# KiCad board Lime_RFE.kicad_pcb (continued)
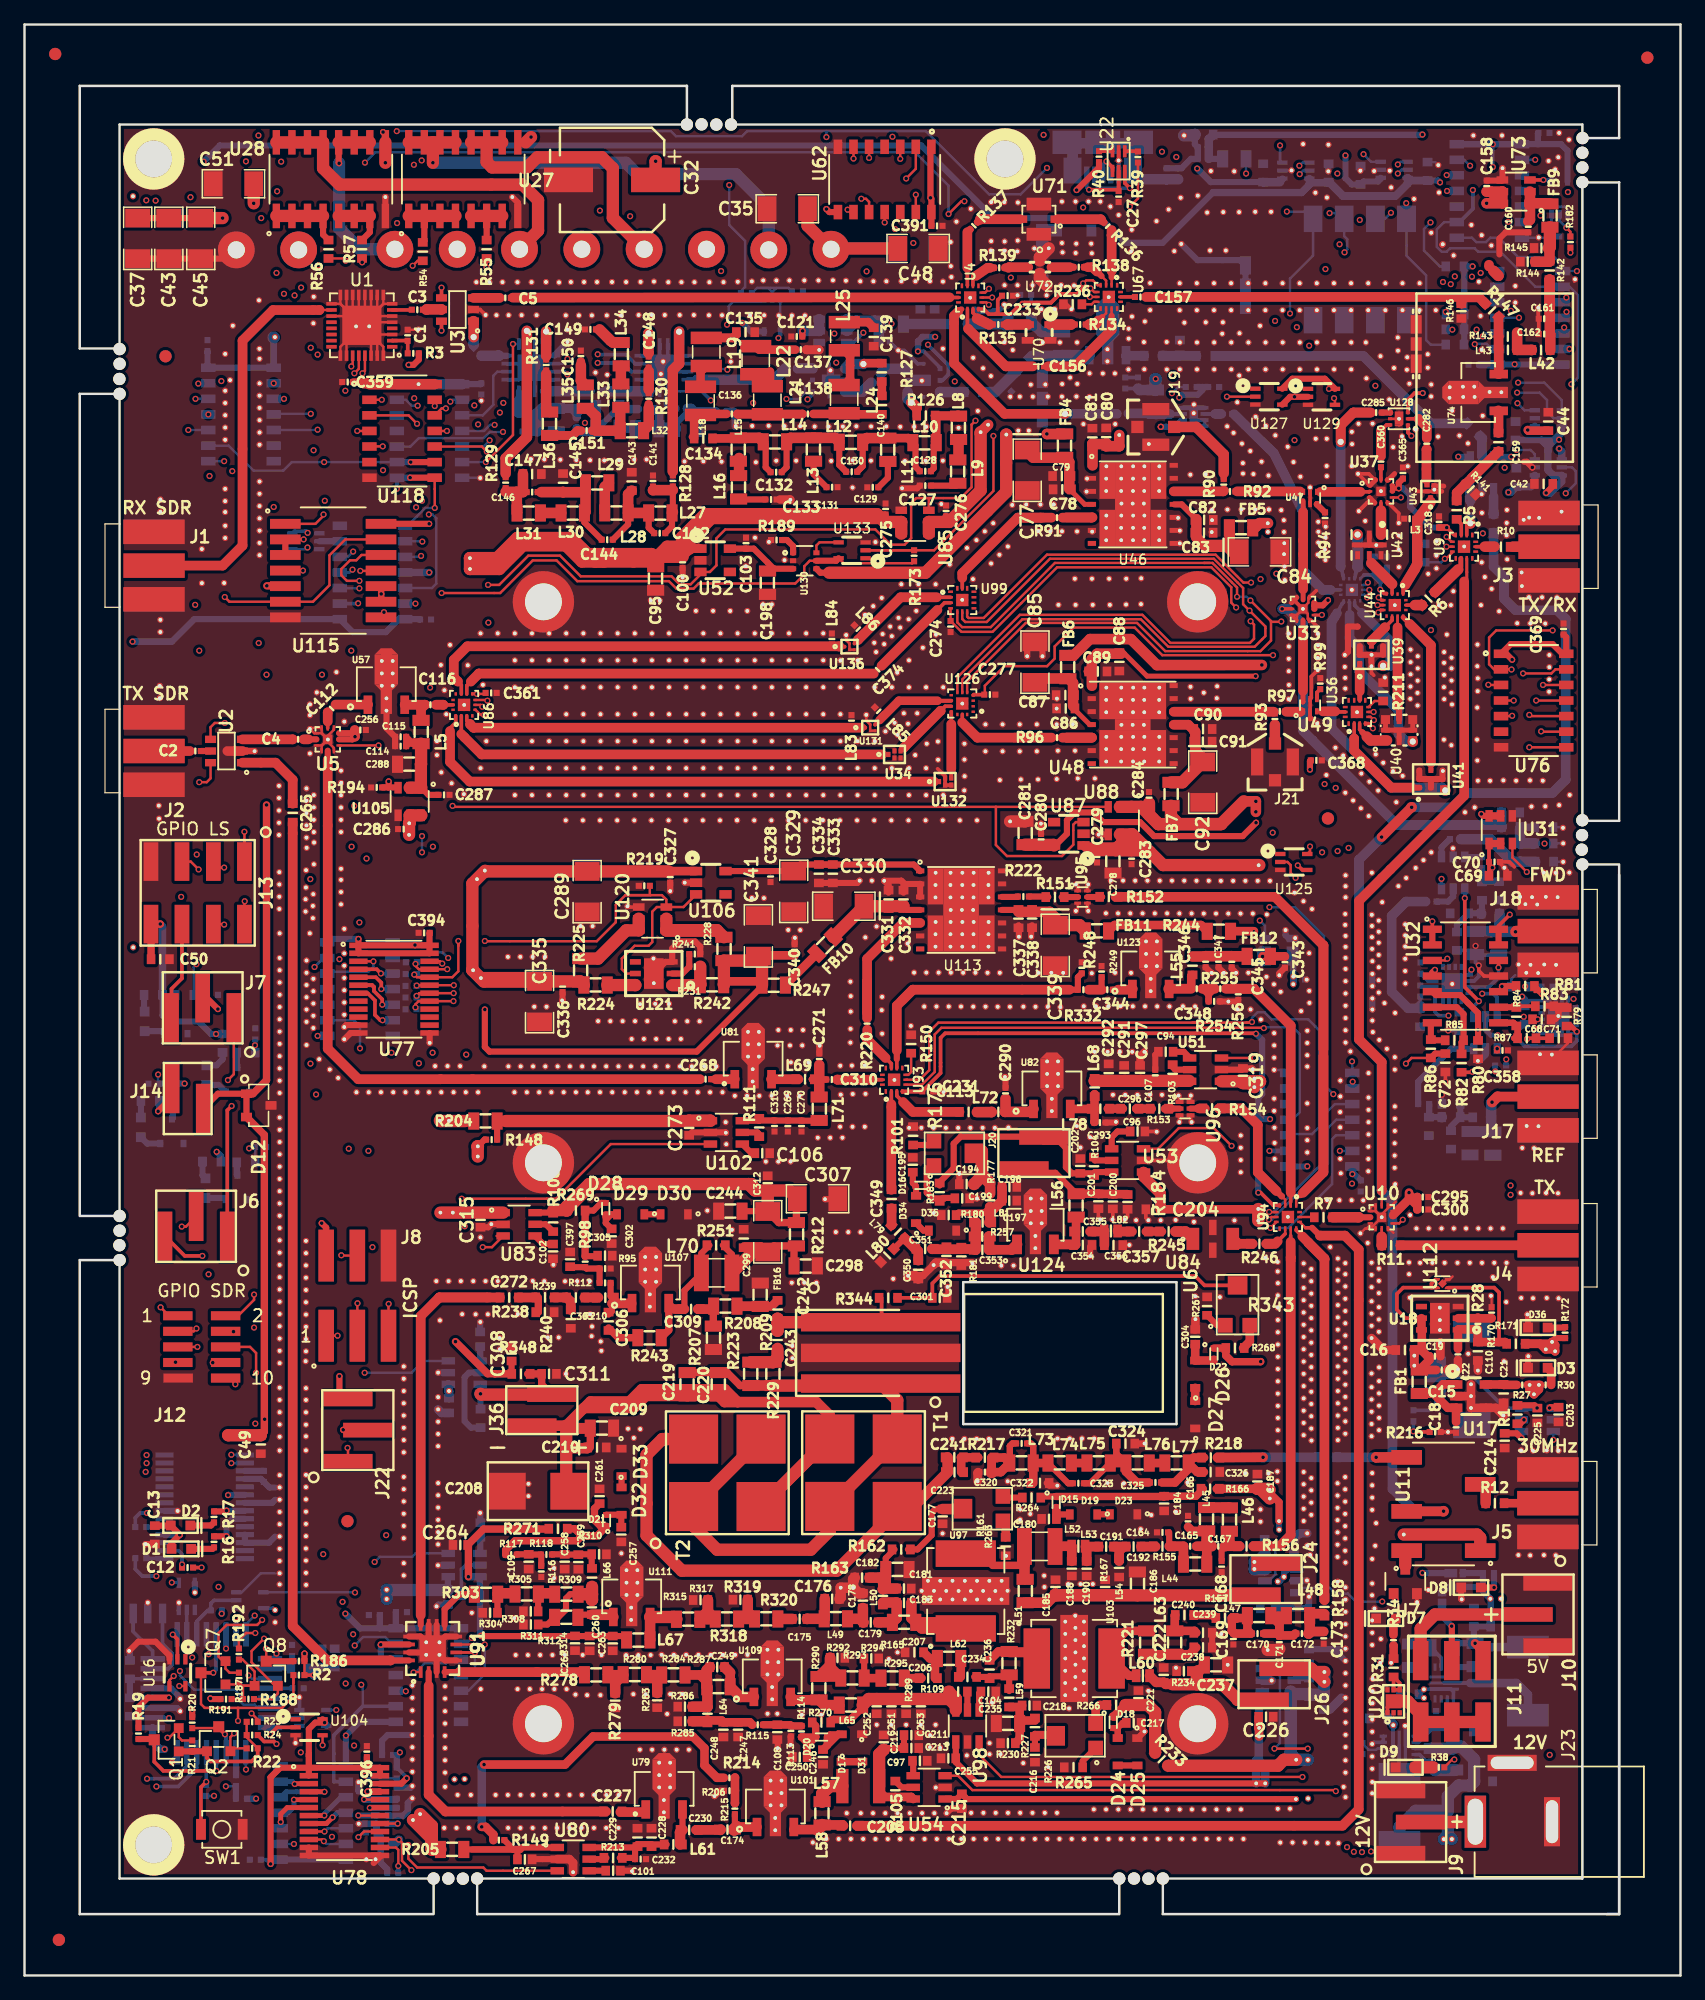
[diagram p0: board, top side]
## Placement (name value [footprint] x y rotation side) (continued)
GND_VIA#977  VAL**  [GND_VIA]  114.68 91.53 180 top
GND_VIA#978  VAL**  [GND_VIA]  112.64 89.44 180 top
GND_VIA#979  VAL**  [GND_VIA]  112.01 88.78 0 top
GND_VIA#980  VAL**  [GND_VIA]  110.69 87.47 0 top
GND_VIA#981  VAL**  [GND_VIA]  109.92 76.88 0 top
GND_VIA#982  VAL**  [GND_VIA]  110.44 76.25 0 top
GND_VIA#983  VAL**  [GND_VIA]  111.71 74.84 0 top
GND_VIA#984  VAL**  [GND_VIA]  111.07 75.52 0 top
GND_VIA#985  VAL**  [GND_VIA]  102.17 13.58 90 top
GND_VIA#986  VAL**  [GND_VIA]  116.45 91.86 180 top
GND_VIA#987  VAL**  [GND_VIA]  120.64 90.28 180 top
GND_VIA#988  VAL**  [GND_VIA]  105.35 10.82 90 top
GND_VIA#989  VAL**  [GND_VIA]  106.25 10.79 90 top
GND_VIA#990  VAL**  [GND_VIA]  112.56 84.76 0 top
GND_VIA#991  VAL**  [GND_VIA]  112.56 85.66 0 top
GND_VIA#992  VAL**  [GND_VIA]  112.56 81.86 0 top
GND_VIA#993  VAL**  [GND_VIA]  112.56 83.86 0 top
GND_VIA#994  VAL**  [GND_VIA]  112.56 82.86 0 top
GND_VIA#995  VAL**  [GND_VIA]  112.57 80.85 0 top
GND_VIA#996  VAL**  [GND_VIA]  109.58 94.49 90 top
GND_VIA#997  VAL**  [GND_VIA]  108.95 95.12 90 top
GND_VIA#998  VAL**  [GND_VIA]  108.31 95.76 90 top
GND_VIA#999  VAL**  [GND_VIA]  106.13 97.84 90 top
GND_VIA#1000  VAL**  [GND_VIA]  107.68 96.39 90 top
GND_VIA#1001  VAL**  [GND_VIA]  109.57 69.55 0 top
GND_VIA#1002  VAL**  [GND_VIA]  109.57 70.55 0 top
GND_VIA#1003  VAL**  [GND_VIA]  109.57 71.55 0 top
GND_VIA#1004  VAL**  [GND_VIA]  109.57 68.55 0 top
GND_VIA#1005  VAL**  [GND_VIA]  109.57 73.55 0 top
GND_VIA#1006  VAL**  [GND_VIA]  107.27 72.93 0 top
GND_VIA#1007  VAL**  [GND_VIA]  108.09 75.31 0 top
GND_VIA#1008  VAL**  [GND_VIA]  107.27 71.64 0 top
GND_VIA#1009  VAL**  [GND_VIA]  107.26 70.37 0 top
GND_VIA#1010  VAL**  [GND_VIA]  107.26 69.12 0 top
GND_VIA#1011  VAL**  [GND_VIA]  107.26 66.56 0 top
GND_VIA#1012  VAL**  [GND_VIA]  107.31 65.38 0 top
GND_VIA#1013  VAL**  [GND_VIA]  76.84 116.34 0 top
GND_VIA#1014  VAL**  [GND_VIA]  77.61 116.98 0 top
GND_VIA#1015  VAL**  [GND_VIA]  80.52 119.84 0 top
GND_VIA#1016  VAL**  [GND_VIA]  78.98 118.36 0 top
GND_VIA#1017  VAL**  [GND_VIA]  78.29 117.69 0 top
GND_VIA#1018  VAL**  [GND_VIA]  77.09 136.73 0 top
GND_VIA#1019  VAL**  [GND_VIA]  73.15 129.97 0 top
GND_VIA#1020  VAL**  [GND_VIA]  23.58 136.81 0 top
GND_VIA#1021  VAL**  [GND_VIA]  23.55 134.65 0 top
GND_VIA#1022  VAL**  [GND_VIA]  89.25 125.55 0 top
GND_VIA#1023  VAL**  [GND_VIA]  80.04 125.59 0 top
GND_VIA#1024  VAL**  [GND_VIA]  78.55 126.39 0 top
GND_VIA#1025  VAL**  [GND_VIA]  77.95 125.78 0 top
GND_VIA#1026  VAL**  [GND_VIA]  115.72 104.99 0 top
GND_VIA#1027  VAL**  [GND_VIA]  115.73 105.99 0 top
GND_VIA#1028  VAL**  [GND_VIA]  115.73 106.98 0 top
GND_VIA#1029  VAL**  [GND_VIA]  118.44 106.7 0 top
GND_VIA#1030  VAL**  [GND_VIA]  118.48 105.71 0 top
GND_VIA#1031  VAL**  [GND_VIA]  118.47 104.67 0 top
GND_VIA#1032  VAL**  [GND_VIA]  124.29 104.63 0 top
GND_VIA#1033  VAL**  [GND_VIA]  124.3 105.63 0 top
GND_VIA#1034  VAL**  [GND_VIA]  124.31 106.63 0 top
GND_VIA#1035  VAL**  [GND_VIA]  124.31 107.62 0 top
GND_VIA#1036  VAL**  [GND_VIA]  32.12 129.69 0 top
GND_VIA#1037  VAL**  [GND_VIA]  123.44 141.64 0 top
GND_VIA#1038  VAL**  [GND_VIA]  32.12 134.15 0 top
GND_VIA#1039  VAL**  [GND_VIA]  38.47 135.31 0 top
GND_VIA#1040  VAL**  [GND_VIA]  122.22 118.64 0 top
GND_VIA#1041  VAL**  [GND_VIA]  122.05 114.35 0 top
GND_VIA#1042  VAL**  [GND_VIA]  112.44 35.94 0 top
GND_VIA#1043  VAL**  [GND_VIA]  36.31 115.51 0 top
GND_VIA#1044  VAL**  [GND_VIA]  36.31 114.63 0 top
GND_VIA#1045  VAL**  [GND_VIA]  81.74 107.51 0 top
GND_VIA#1046  VAL**  [GND_VIA]  82.99 107.51 0 top
GND_VIA#1047  VAL**  [GND_VIA]  22.99 82.72 0 top
GND_VIA#1048  VAL**  [GND_VIA]  22.99 80.72 0 top
GND_VIA#1049  VAL**  [GND_VIA]  22.99 81.72 0 top
GND_VIA#1050  VAL**  [GND_VIA]  22.99 79.72 0 top
GND_VIA#1051  VAL**  [GND_VIA]  22.99 78.72 0 top
GND_VIA#1052  VAL**  [GND_VIA]  22.91 86.71 0 top
GND_VIA#1053  VAL**  [GND_VIA]  22.91 87.71 0 top
GND_VIA#1054  VAL**  [GND_VIA]  22.99 77.72 0 top
GND_VIA#1055  VAL**  [GND_VIA]  26.07 78.3 0 top
GND_VIA#1056  VAL**  [GND_VIA]  26.07 79.3 0 top
GND_VIA#1057  VAL**  [GND_VIA]  26.07 81.3 0 top
GND_VIA#1058  VAL**  [GND_VIA]  26.07 80.3 0 top
GND_VIA#1059  VAL**  [GND_VIA]  26.07 76.3 0 top
GND_VIA#1060  VAL**  [GND_VIA]  26.07 77.3 0 top
GND_VIA#1061  VAL**  [GND_VIA]  26.07 82.3 0 top
GND_VIA#1062  VAL**  [GND_VIA]  26.07 83.3 0 top
GND_VIA#1063  VAL**  [GND_VIA]  26.07 85.3 0 top
GND_VIA#1064  VAL**  [GND_VIA]  25.8 88.3 0 top
GND_VIA#1065  VAL**  [GND_VIA]  25.8 89.3 0 top
GND_VIA#1066  VAL**  [GND_VIA]  25.8 87.3 0 top
GND_VIA#1067  VAL**  [GND_VIA]  25.8 90.2 0 top
GND_VIA#1068  VAL**  [GND_VIA]  22.99 75.83 0 top
GND_VIA#1069  VAL**  [GND_VIA]  117.37 116.46 0 top
GND_VIA#1070  VAL**  [GND_VIA]  124.24 147.88 90 top
GND_VIA#1071  VAL**  [GND_VIA]  120.49 147.29 90 top
GND_VIA#1072  VAL**  [GND_VIA]  88.28 132.53 0 top
GND_VIA#1073  VAL**  [GND_VIA]  88.28 131.55 0 top
GND_VIA#1074  VAL**  [GND_VIA]  116.19 129.44 0 top
GND_VIA#1075  VAL**  [GND_VIA]  117.26 129.48 0 top
GND_VIA#1076  VAL**  [GND_VIA]  120.4 129.03 0 top
GND_VIA#1077  VAL**  [GND_VIA]  119.44 129.06 0 top
GND_VIA#1078  VAL**  [GND_VIA]  118.19 129.49 0 top
GND_VIA#1079  VAL**  [GND_VIA]  118.22 128.65 0 top
GND_VIA#1080  VAL**  [GND_VIA]  117.29 128.65 0 top
GND_VIA#1081  VAL**  [GND_VIA]  116.17 128.58 0 top
GND_VIA#1082  VAL**  [GND_VIA]  123.4 135.91 0 top
GND_VIA#1083  VAL**  [GND_VIA]  85.35 135.8 0 top
GND_VIA#1084  VAL**  [GND_VIA]  84 135.8 0 top
GND_VIA#1085  VAL**  [GND_VIA]  82.9 135.8 0 top
GND_VIA#1086  VAL**  [GND_VIA]  122.98 42.77 0 top
GND_VIA#1087  VAL**  [GND_VIA]  122.01 42.79 0 top
GND_VIA#1088  VAL**  [GND_VIA]  124.1 42.79 0 top
GND_VIA#1089  VAL**  [GND_VIA]  125.06 42.77 0 top
GND_VIA#1090  VAL**  [GND_VIA]  124.83 34.23 0 top
GND_VIA#1091  VAL**  [GND_VIA]  123.87 34.26 0 top
GND_VIA#1092  VAL**  [GND_VIA]  121.79 34.26 0 top
GND_VIA#1093  VAL**  [GND_VIA]  122.75 34.23 0 top
GND_VIA#1094  VAL**  [GND_VIA]  122.98 55.19 0 top
GND_VIA#1095  VAL**  [GND_VIA]  122.01 55.22 0 top
GND_VIA#1096  VAL**  [GND_VIA]  124.1 55.22 0 top
GND_VIA#1097  VAL**  [GND_VIA]  125.06 55.19 0 top
GND_VIA#1098  VAL**  [GND_VIA]  125.01 63.75 0 top
GND_VIA#1099  VAL**  [GND_VIA]  124.05 63.77 0 top
GND_VIA#1100  VAL**  [GND_VIA]  121.96 63.77 0 top
GND_VIA#1101  VAL**  [GND_VIA]  122.93 63.75 0 top
GND_VIA#1102  VAL**  [GND_VIA]  23.26 84.93 0 top
GND_VIA#1103  VAL**  [GND_VIA]  33.03 76.01 90 top
GND_VIA#1104  VAL**  [GND_VIA]  65.26 63.27 90 top
GND_VIA#1105  VAL**  [GND_VIA]  16.36 117.15 0 top
GND_VIA#1106  VAL**  [GND_VIA]  16.36 118.15 0 top
GND_VIA#1107  VAL**  [GND_VIA]  19.16 115.75 0 top
GND_VIA#1108  VAL**  [GND_VIA]  19.16 118.75 0 top
GND_VIA#1109  VAL**  [GND_VIA]  19.16 117.75 0 top
GND_VIA#1110  VAL**  [GND_VIA]  19.16 116.75 0 top
GND_VIA#1111  VAL**  [GND_VIA]  16.36 126.16 0 top
GND_VIA#1112  VAL**  [GND_VIA]  16.36 127.16 0 top
GND_VIA#1113  VAL**  [GND_VIA]  16.36 129.16 0 top
GND_VIA#1114  VAL**  [GND_VIA]  16.36 128.16 0 top
GND_VIA#1115  VAL**  [GND_VIA]  16.36 125.16 0 top
GND_VIA#1116  VAL**  [GND_VIA]  16.76 130.02 0 top
GND_VIA#1117  VAL**  [GND_VIA]  16.36 132.16 0 top
GND_VIA#1118  VAL**  [GND_VIA]  16.36 121.16 0 top
GND_VIA#1119  VAL**  [GND_VIA]  16.36 120.16 0 top
GND_VIA#1120  VAL**  [GND_VIA]  19.16 121.76 0 top
GND_VIA#1121  VAL**  [GND_VIA]  19.16 124.76 0 top
GND_VIA#1122  VAL**  [GND_VIA]  19.16 119.76 0 top
GND_VIA#1123  VAL**  [GND_VIA]  19.16 120.76 0 top
GND_VIA#1124  VAL**  [GND_VIA]  19.16 125.76 0 top
GND_VIA#1125  VAL**  [GND_VIA]  19.16 126.76 0 top
GND_VIA#1126  VAL**  [GND_VIA]  19.16 128.76 0 top
GND_VIA#1127  VAL**  [GND_VIA]  19.16 127.76 0 top
GND_VIA#1128  VAL**  [GND_VIA]  19.16 131.76 0 top
GND_VIA#1129  VAL**  [GND_VIA]  19.16 129.76 0 top
GND_VIA#1130  VAL**  [GND_VIA]  16.36 119.27 0 top
GND_VIA#1131  VAL**  [GND_VIA]  20.75 96.96 0 top
GND_VIA#1132  VAL**  [GND_VIA]  20.75 95.96 0 top
GND_VIA#1133  VAL**  [GND_VIA]  20.8 60.92 0 top
GND_VIA#1134  VAL**  [GND_VIA]  20.8 62.92 0 top
GND_VIA#1135  VAL**  [GND_VIA]  20.8 61.92 0 top
GND_VIA#1136  VAL**  [GND_VIA]  20.8 65.92 0 top
GND_VIA#1137  VAL**  [GND_VIA]  20.8 64.92 0 top
GND_VIA#1138  VAL**  [GND_VIA]  20.8 63.92 0 top
GND_VIA#1139  VAL**  [GND_VIA]  20.8 68.92 0 top
GND_VIA#1140  VAL**  [GND_VIA]  20.8 69.92 0 top
GND_VIA#1141  VAL**  [GND_VIA]  20.8 71.92 0 top
GND_VIA#1142  VAL**  [GND_VIA]  20.8 66.92 0 top
GND_VIA#1143  VAL**  [GND_VIA]  20.8 67.92 0 top
GND_VIA#1144  VAL**  [GND_VIA]  20.8 72.92 0 top
GND_VIA#1145  VAL**  [GND_VIA]  20.8 73.92 0 top
GND_VIA#1146  VAL**  [GND_VIA]  20.8 75.92 0 top
GND_VIA#1147  VAL**  [GND_VIA]  20.8 74.92 0 top
GND_VIA#1148  VAL**  [GND_VIA]  20.8 77.92 0 top
GND_VIA#1149  VAL**  [GND_VIA]  20.8 76.92 0 top
GND_VIA#1150  VAL**  [GND_VIA]  20.75 94.95 0 top
GND_VIA#1151  VAL**  [GND_VIA]  20.75 92.95 0 top
GND_VIA#1152  VAL**  [GND_VIA]  20.75 93.95 0 top
GND_VIA#1153  VAL**  [GND_VIA]  20.8 84.93 0 top
GND_VIA#1154  VAL**  [GND_VIA]  20.77 88.92 0 top
GND_VIA#1155  VAL**  [GND_VIA]  20.77 89.92 0 top
GND_VIA#1156  VAL**  [GND_VIA]  20.77 87.92 0 top
GND_VIA#1157  VAL**  [GND_VIA]  20.77 86.92 0 top
GND_VIA#1158  VAL**  [GND_VIA]  20.8 81.93 0 top
GND_VIA#1159  VAL**  [GND_VIA]  20.8 82.93 0 top
GND_VIA#1160  VAL**  [GND_VIA]  20.8 79.93 0 top
GND_VIA#1161  VAL**  [GND_VIA]  20.8 80.93 0 top
GND_VIA#1162  VAL**  [GND_VIA]  20.8 78.93 0 top
GND_VIA#1163  VAL**  [GND_VIA]  20.8 53.91 0 top
GND_VIA#1164  VAL**  [GND_VIA]  20.8 55.91 0 top
GND_VIA#1165  VAL**  [GND_VIA]  20.8 54.91 0 top
GND_VIA#1166  VAL**  [GND_VIA]  20.8 58.91 0 top
GND_VIA#1167  VAL**  [GND_VIA]  20.8 57.91 0 top
GND_VIA#1168  VAL**  [GND_VIA]  20.8 56.91 0 top
GND_VIA#1169  VAL**  [GND_VIA]  20.8 59.91 0 top
GND_VIA#1170  VAL**  [GND_VIA]  20.8 51.91 0 top
GND_VIA#1171  VAL**  [GND_VIA]  20.8 52.91 0 top
GND_VIA#1172  VAL**  [GND_VIA]  20.8 49.91 0 top
GND_VIA#1173  VAL**  [GND_VIA]  20.8 50.91 0 top
GND_VIA#1174  VAL**  [GND_VIA]  20.8 47.91 0 top
GND_VIA#1175  VAL**  [GND_VIA]  20.8 45.91 0 top
GND_VIA#1176  VAL**  [GND_VIA]  20.8 46.91 0 top
GND_VIA#1177  VAL**  [GND_VIA]  20.8 44.91 0 top
GND_VIA#1178  VAL**  [GND_VIA]  20.8 43.91 0 top
GND_VIA#1179  VAL**  [GND_VIA]  25.8 94.19 0 top
GND_VIA#1180  VAL**  [GND_VIA]  25.8 93.19 0 top
GND_VIA#1181  VAL**  [GND_VIA]  25.8 96.19 0 top
GND_VIA#1182  VAL**  [GND_VIA]  25.8 95.19 0 top
GND_VIA#1183  VAL**  [GND_VIA]  23.27 102.71 0 top
GND_VIA#1184  VAL**  [GND_VIA]  23.27 103.6 0 top
GND_VIA#1185  VAL**  [GND_VIA]  26.07 102.19 0 top
GND_VIA#1186  VAL**  [GND_VIA]  25.8 98.19 0 top
GND_VIA#1187  VAL**  [GND_VIA]  25.8 97.19 0 top
GND_VIA#1188  VAL**  [GND_VIA]  23.27 101.59 0 top
GND_VIA#1189  VAL**  [GND_VIA]  23.27 99.59 0 top
GND_VIA#1190  VAL**  [GND_VIA]  23.83 104.57 0 top
GND_VIA#1191  VAL**  [GND_VIA]  92.28 142.98 0 top
GND_VIA#1192  VAL**  [GND_VIA]  93.27 143.93 0 top
GND_VIA#1193  VAL**  [GND_VIA]  94.25 144.89 0 top
GND_VIA#1194  VAL**  [GND_VIA]  20.8 32.78 0 top
GND_VIA#1195  VAL**  [GND_VIA]  20.8 34.78 0 top
GND_VIA#1196  VAL**  [GND_VIA]  20.8 33.78 0 top
GND_VIA#1197  VAL**  [GND_VIA]  20.8 35.78 0 top
GND_VIA#1198  VAL**  [GND_VIA]  20.8 36.78 0 top
GND_VIA#1199  VAL**  [GND_VIA]  20.8 38.78 0 top
GND_VIA#1200  VAL**  [GND_VIA]  20.8 37.78 0 top
GND_VIA#1201  VAL**  [GND_VIA]  20.8 40.78 0 top
GND_VIA#1202  VAL**  [GND_VIA]  20.8 39.78 0 top
GND_VIA#1203  VAL**  [GND_VIA]  20.8 42.78 0 top
GND_VIA#1204  VAL**  [GND_VIA]  12.59 30.39 0 top
GND_VIA#1205  VAL**  [GND_VIA]  20.43 29.78 0 top
GND_VIA#1206  VAL**  [GND_VIA]  20.43 28.78 0 top
GND_VIA#1207  VAL**  [GND_VIA]  22.94 32.81 0 top
GND_VIA#1208  VAL**  [GND_VIA]  22.94 33.81 0 top
GND_VIA#1209  VAL**  [GND_VIA]  22.94 44.89 0 top
GND_VIA#1210  VAL**  [GND_VIA]  22.94 45.89 0 top
GND_VIA#1211  VAL**  [GND_VIA]  22.94 42.79 0 top
GND_VIA#1212  VAL**  [GND_VIA]  22.94 43.94 0 top
GND_VIA#1213  VAL**  [GND_VIA]  22.94 40.8 0 top
GND_VIA#1214  VAL**  [GND_VIA]  22.94 39.8 0 top
GND_VIA#1215  VAL**  [GND_VIA]  22.94 38.8 0 top
GND_VIA#1216  VAL**  [GND_VIA]  22.94 36.8 0 top
GND_VIA#1217  VAL**  [GND_VIA]  22.94 37.8 0 top
GND_VIA#1218  VAL**  [GND_VIA]  22.94 35.8 0 top
GND_VIA#1219  VAL**  [GND_VIA]  22.94 34.8 0 top
GND_VIA#1220  VAL**  [GND_VIA]  22.94 46.9 0 top
GND_VIA#1221  VAL**  [GND_VIA]  22.94 47.86 0 top
GND_VIA#1222  VAL**  [GND_VIA]  22.92 50.06 0 top
GND_VIA#1223  VAL**  [GND_VIA]  22.94 50.86 0 top
GND_VIA#1224  VAL**  [GND_VIA]  22.94 51.86 0 top
GND_VIA#1225  VAL**  [GND_VIA]  22.94 53.86 0 top
GND_VIA#1226  VAL**  [GND_VIA]  22.94 52.86 0 top
GND_VIA#1227  VAL**  [GND_VIA]  22.94 55.86 0 top
GND_VIA#1228  VAL**  [GND_VIA]  22.94 54.86 0 top
GND_VIA#1229  VAL**  [GND_VIA]  22.94 59.87 0 top
GND_VIA#1230  VAL**  [GND_VIA]  22.94 57.87 0 top
GND_VIA#1231  VAL**  [GND_VIA]  22.94 58.87 0 top
GND_VIA#1232  VAL**  [GND_VIA]  22.94 56.87 0 top
GND_VIA#1233  VAL**  [GND_VIA]  116.82 58.08 90 top
GND_VIA#1234  VAL**  [GND_VIA]  118.82 58.08 90 top
GND_VIA#1235  VAL**  [GND_VIA]  117.82 58.08 90 top
GND_VIA#1236  VAL**  [GND_VIA]  119.82 58.08 90 top
GND_VIA#1237  VAL**  [GND_VIA]  120.82 58.08 90 top
GND_VIA#1238  VAL**  [GND_VIA]  120.52 60.88 90 top
GND_VIA#1239  VAL**  [GND_VIA]  118.52 60.88 90 top
GND_VIA#1240  VAL**  [GND_VIA]  119.52 60.88 90 top
GND_VIA#1241  VAL**  [GND_VIA]  115.52 60.88 90 top
GND_VIA#1242  VAL**  [GND_VIA]  116.52 60.88 90 top
GND_VIA#1243  VAL**  [GND_VIA]  117.52 60.88 90 top
GND_VIA#1244  VAL**  [GND_VIA]  114.47 60.88 90 top
GND_VIA#1245  VAL**  [GND_VIA]  113.47 60.88 90 top
GND_VIA#1246  VAL**  [GND_VIA]  112.96 61.97 90 top
GND_VIA#1247  VAL**  [GND_VIA]  114.77 58.08 90 top
GND_VIA#1248  VAL**  [GND_VIA]  115.77 58.08 90 top
GND_VIA#1249  VAL**  [GND_VIA]  112.87 58.11 90 top
GND_VIA#1250  VAL**  [GND_VIA]  113.77 58.08 90 top
GND_VIA#1251  VAL**  [GND_VIA]  22.41 22.68 0 top
GND_VIA#1252  VAL**  [GND_VIA]  10.05 30.39 0 top
GND_VIA#1253  VAL**  [GND_VIA]  22.09 18.95 0 top
GND_VIA#1254  VAL**  [GND_VIA]  8.84 145 0 top
GND_VIA#1255  VAL**  [GND_VIA]  9.86 35.15 0 top
GND_VIA#1256  VAL**  [GND_VIA]  12.69 22.54 0 top
GND_VIA#1257  VAL**  [GND_VIA]  12.69 21.54 0 top
GND_VIA#1258  VAL**  [GND_VIA]  8.53 26.45 0 top
GND_VIA#1259  VAL**  [GND_VIA]  27.23 15.76 0 top
GND_VIA#1260  VAL**  [GND_VIA]  29.42 144.94 0 top
GND_VIA#1261  VAL**  [GND_VIA]  39.77 144.94 0 top
GND_VIA#1262  VAL**  [GND_VIA]  24.73 100.73 0 top
GND_VIA#1263  VAL**  [GND_VIA]  116.36 11.11 0 top
GND_VIA#1264  VAL**  [GND_VIA]  120.57 45.64 0 top
GND_VIA#1265  VAL**  [GND_VIA]  118.48 49.3 0 top
GND_VIA#1266  VAL**  [GND_VIA]  122.52 53.87 0 top
GND_VIA#1267  VAL**  [GND_VIA]  120.8 54.88 0 top
GND_VIA#1268  VAL**  [GND_VIA]  119.7 56.92 0 top
GND_VIA#1269  VAL**  [GND_VIA]  122.6 50.47 0 top
GND_VIA#1270  VAL**  [GND_VIA]  115.41 51.58 0 top
GND_VIA#1271  VAL**  [GND_VIA]  115.38 52.6 0 top
GND_VIA#1272  VAL**  [GND_VIA]  120.62 50.06 0 top
GND_VIA#1273  VAL**  [GND_VIA]  117.7 50.67 0 top
GND_VIA#1274  VAL**  [GND_VIA]  117.92 48.18 0 top
GND_VIA#1275  VAL**  [GND_VIA]  117.92 47.21 0 top
GND_VIA#1276  VAL**  [GND_VIA]  117.92 46.25 0 top
GND_VIA#1277  VAL**  [GND_VIA]  119.55 55.39 0 top
GND_VIA#1278  VAL**  [GND_VIA]  112.93 55.24 0 top
GND_VIA#1279  VAL**  [GND_VIA]  124.53 51.63 0 top
GND_VIA#1280  VAL**  [GND_VIA]  124.02 51.02 0 top
GND_VIA#1281  VAL**  [GND_VIA]  124.78 50.87 0 top
GND_VIA#1282  VAL**  [GND_VIA]  117.16 30.65 0 top
GND_VIA#1283  VAL**  [GND_VIA]  114.45 31.42 0 top
GND_VIA#1284  VAL**  [GND_VIA]  119.5 30.7 0 top
GND_VIA#1285  VAL**  [GND_VIA]  120.36 30.7 0 top
GND_VIA#1286  VAL**  [GND_VIA]  111.41 25.48 0 top
GND_VIA#1287  VAL**  [GND_VIA]  110.52 25.48 0 top
GND_VIA#1288  VAL**  [GND_VIA]  115.7 11.11 0 top
GND_VIA#1289  VAL**  [GND_VIA]  123.06 47.37 0 top
GND_VIA#1290  VAL**  [GND_VIA]  123.46 48.13 0 top
GND_VIA#1291  VAL**  [GND_VIA]  122.7 48.13 0 top
GND_VIA#1292  VAL**  [GND_VIA]  116.86 49.4 0 top
GND_VIA#1293  VAL**  [GND_VIA]  115.38 54.43 0 top
GND_VIA#1294  VAL**  [GND_VIA]  115.38 53.41 0 top
GND_VIA#1295  VAL**  [GND_VIA]  113.3 50.52 0 top
GND_VIA#1296  VAL**  [GND_VIA]  113.3 49.7 0 top
GND_VIA#1297  VAL**  [GND_VIA]  109.82 49.06 0 top
GND_VIA#1298  VAL**  [GND_VIA]  89.2 147.93 0 top
GND_VIA#1299  VAL**  [GND_VIA]  12.48 37.86 0 top
GND_VIA#1300  VAL**  [GND_VIA]  13.89 31.21 0 top
GND_VIA#1301  VAL**  [GND_VIA]  8.86 83.79 0 top
GND_VIA#1302  VAL**  [GND_VIA]  111.3 147.09 90 top
GND_VIA#1303  VAL**  [GND_VIA]  103.29 147.11 90 top
GND_VIA#1304  VAL**  [GND_VIA]  98.62 147.04 90 top
GND_VIA#1305  VAL**  [GND_VIA]  108.91 147.09 90 top
GND_VIA#1306  VAL**  [GND_VIA]  96.72 147.06 90 top
GND_VIA#1307  VAL**  [GND_VIA]  110.03 147.06 90 top
GND_VIA#1308  VAL**  [GND_VIA]  106.29 147.04 90 top
GND_VIA#1309  VAL**  [GND_VIA]  115.31 145.31 90 top
GND_VIA#1310  VAL**  [GND_VIA]  114.68 142.03 90 top
GND_VIA#1311  VAL**  [GND_VIA]  115.62 141.09 90 top
GND_VIA#1312  VAL**  [GND_VIA]  116.51 140.18 90 top
GND_VIA#1313  VAL**  [GND_VIA]  118.56 138.05 90 top
GND_VIA#1314  VAL**  [GND_VIA]  118.7 135.25 90 top
GND_VIA#1315  VAL**  [GND_VIA]  118.79 132.51 90 top
GND_VIA#1316  VAL**  [GND_VIA]  121.54 137.69 90 top
GND_VIA#1317  VAL**  [GND_VIA]  121.54 136.34 90 top
GND_VIA#1318  VAL**  [GND_VIA]  119.58 140.99 90 top
GND_VIA#1319  VAL**  [GND_VIA]  117.95 142.67 90 top
GND_VIA#1320  VAL**  [GND_VIA]  118.79 141.83 90 top
GND_VIA#1321  VAL**  [GND_VIA]  11.08 119.29 0 top
GND_VIA#1322  VAL**  [GND_VIA]  11.08 120.29 0 top
GND_VIA#1323  VAL**  [GND_VIA]  11.08 109.49 0 top
GND_VIA#1324  VAL**  [GND_VIA]  11.08 110.49 0 top
GND_VIA#1325  VAL**  [GND_VIA]  11.02 104.1 0 top
GND_VIA#1326  VAL**  [GND_VIA]  11.02 105.1 0 top
GND_VIA#1327  VAL**  [GND_VIA]  10.95 95.34 0 top
GND_VIA#1328  VAL**  [GND_VIA]  10.97 94.28 0 top
GND_VIA#1329  VAL**  [GND_VIA]  108.21 112.93 0 top
GND_VIA#1330  VAL**  [GND_VIA]  116.05 44.29 0 top
GND_VIA#1331  VAL**  [GND_VIA]  18.75 99.78 0 top
GND_VIA#1332  VAL**  [GND_VIA]  27.03 134.4 0 top
GND_VIA#1333  VAL**  [GND_VIA]  28.1 134.4 0 top
GND_VIA#1334  VAL**  [GND_VIA]  101.36 117.65 0 top
GND_VIA#1335  VAL**  [GND_VIA]  101.35 118.36 0 top
GND_VIA#1336  VAL**  [GND_VIA]  115.26 147.54 90 top
GND_VIA#1337  VAL**  [GND_VIA]  94.53 149.96 90 top
GND_VIA#1338  VAL**  [GND_VIA]  20.41 133.52 0 top
GND_VIA#1339  VAL**  [GND_VIA]  118.49 74.53 0 top
GND_VIA#1340  VAL**  [GND_VIA]  27.25 12.37 90 top
GND_VIA#1341  VAL**  [GND_VIA]  27.86 9.47 90 top
GND_VIA#1342  VAL**  [GND_VIA]  28.62 9.47 90 top
GND_VIA#1343  VAL**  [GND_VIA]  91.25 101.93 0 top
GND_VIA#1344  VAL**  [GND_VIA]  88.2 104.96 0 top
GND_VIA#1345  VAL**  [GND_VIA]  88.19 103.96 0 top
GND_VIA#1346  VAL**  [GND_VIA]  88.19 102.95 0 top
GND_VIA#1347  VAL**  [GND_VIA]  90.34 101.93 0 top
GND_VIA#1348  VAL**  [GND_VIA]  89.43 101.93 0 top
GND_VIA#1349  VAL**  [GND_VIA]  89.4 102.95 0 top
GND_VIA#1350  VAL**  [GND_VIA]  89.4 103.96 0 top
GND_VIA#1351  VAL**  [GND_VIA]  89.41 104.96 0 top
GND_VIA#1352  VAL**  [GND_VIA]  92.51 104.96 0 top
GND_VIA#1353  VAL**  [GND_VIA]  92.5 103.96 0 top
GND_VIA#1354  VAL**  [GND_VIA]  92.5 102.95 0 top
GND_VIA#1355  VAL**  [GND_VIA]  91.28 102.95 0 top
GND_VIA#1356  VAL**  [GND_VIA]  91.28 103.96 0 top
GND_VIA#1357  VAL**  [GND_VIA]  91.29 104.96 0 top
GND_VIA#1358  VAL**  [GND_VIA]  90.38 104.96 0 top
GND_VIA#1359  VAL**  [GND_VIA]  90.37 103.96 0 top
GND_VIA#1360  VAL**  [GND_VIA]  90.37 102.95 0 top
GND_VIA#1361  VAL**  [GND_VIA]  90.37 98.94 0 top
GND_VIA#1362  VAL**  [GND_VIA]  90.37 99.95 0 top
GND_VIA#1363  VAL**  [GND_VIA]  90.38 100.95 0 top
GND_VIA#1364  VAL**  [GND_VIA]  91.29 100.95 0 top
GND_VIA#1365  VAL**  [GND_VIA]  91.28 99.95 0 top
GND_VIA#1366  VAL**  [GND_VIA]  91.28 98.94 0 top
GND_VIA#1367  VAL**  [GND_VIA]  92.5 98.94 0 top
GND_VIA#1368  VAL**  [GND_VIA]  92.5 99.95 0 top
GND_VIA#1369  VAL**  [GND_VIA]  92.51 100.95 0 top
GND_VIA#1370  VAL**  [GND_VIA]  89.41 100.95 0 top
GND_VIA#1371  VAL**  [GND_VIA]  89.4 99.95 0 top
GND_VIA#1372  VAL**  [GND_VIA]  89.4 98.94 0 top
GND_VIA#1373  VAL**  [GND_VIA]  88.19 98.94 0 top
GND_VIA#1374  VAL**  [GND_VIA]  88.19 99.95 0 top
GND_VIA#1375  VAL**  [GND_VIA]  88.2 100.95 0 top
GND_VIA#1376  VAL**  [GND_VIA]  74.28 85.86 0 top
GND_VIA#1377  VAL**  [GND_VIA]  74.27 84.86 0 top
GND_VIA#1378  VAL**  [GND_VIA]  74.27 83.85 0 top
GND_VIA#1379  VAL**  [GND_VIA]  75.49 83.85 0 top
GND_VIA#1380  VAL**  [GND_VIA]  75.49 84.86 0 top
GND_VIA#1381  VAL**  [GND_VIA]  75.5 85.86 0 top
GND_VIA#1382  VAL**  [GND_VIA]  78.59 85.86 0 top
GND_VIA#1383  VAL**  [GND_VIA]  78.58 84.86 0 top
GND_VIA#1384  VAL**  [GND_VIA]  78.58 83.85 0 top
GND_VIA#1385  VAL**  [GND_VIA]  77.37 83.85 0 top
GND_VIA#1386  VAL**  [GND_VIA]  77.37 84.86 0 top
GND_VIA#1387  VAL**  [GND_VIA]  77.38 85.86 0 top
GND_VIA#1388  VAL**  [GND_VIA]  76.46 85.86 0 top
GND_VIA#1389  VAL**  [GND_VIA]  76.45 84.86 0 top
GND_VIA#1390  VAL**  [GND_VIA]  76.45 83.85 0 top
GND_VIA#1391  VAL**  [GND_VIA]  76.45 87.86 0 top
GND_VIA#1392  VAL**  [GND_VIA]  76.45 88.87 0 top
GND_VIA#1393  VAL**  [GND_VIA]  76.46 89.87 0 top
GND_VIA#1394  VAL**  [GND_VIA]  77.38 89.87 0 top
GND_VIA#1395  VAL**  [GND_VIA]  77.37 88.87 0 top
GND_VIA#1396  VAL**  [GND_VIA]  77.37 87.86 0 top
GND_VIA#1397  VAL**  [GND_VIA]  78.58 87.86 0 top
GND_VIA#1398  VAL**  [GND_VIA]  78.58 88.87 0 top
GND_VIA#1399  VAL**  [GND_VIA]  78.59 89.87 0 top
GND_VIA#1400  VAL**  [GND_VIA]  75.5 89.87 0 top
GND_VIA#1401  VAL**  [GND_VIA]  75.49 88.87 0 top
GND_VIA#1402  VAL**  [GND_VIA]  75.49 87.86 0 top
GND_VIA#1403  VAL**  [GND_VIA]  75.51 86.84 0 top
GND_VIA#1404  VAL**  [GND_VIA]  76.42 86.84 0 top
GND_VIA#1405  VAL**  [GND_VIA]  74.27 87.86 0 top
GND_VIA#1406  VAL**  [GND_VIA]  74.27 88.87 0 top
GND_VIA#1407  VAL**  [GND_VIA]  74.28 89.87 0 top
GND_VIA#1408  VAL**  [GND_VIA]  77.34 86.84 0 top
GND_VIA#1409  VAL**  [GND_VIA]  91.25 119.96 0 top
GND_VIA#1410  VAL**  [GND_VIA]  88.2 122.99 0 top
GND_VIA#1411  VAL**  [GND_VIA]  88.19 121.99 0 top
GND_VIA#1412  VAL**  [GND_VIA]  88.19 120.98 0 top
GND_VIA#1413  VAL**  [GND_VIA]  90.34 119.96 0 top
GND_VIA#1414  VAL**  [GND_VIA]  89.43 119.96 0 top
GND_VIA#1415  VAL**  [GND_VIA]  89.4 120.98 0 top
GND_VIA#1416  VAL**  [GND_VIA]  89.4 121.99 0 top
GND_VIA#1417  VAL**  [GND_VIA]  89.41 122.99 0 top
GND_VIA#1418  VAL**  [GND_VIA]  92.51 122.99 0 top
GND_VIA#1419  VAL**  [GND_VIA]  92.5 121.99 0 top
GND_VIA#1420  VAL**  [GND_VIA]  92.5 120.98 0 top
GND_VIA#1421  VAL**  [GND_VIA]  91.28 120.98 0 top
GND_VIA#1422  VAL**  [GND_VIA]  91.28 121.99 0 top
GND_VIA#1423  VAL**  [GND_VIA]  91.29 122.99 0 top
GND_VIA#1424  VAL**  [GND_VIA]  90.38 122.99 0 top
GND_VIA#1425  VAL**  [GND_VIA]  90.37 121.99 0 top
GND_VIA#1426  VAL**  [GND_VIA]  90.37 120.98 0 top
GND_VIA#1427  VAL**  [GND_VIA]  90.37 116.97 0 top
GND_VIA#1428  VAL**  [GND_VIA]  90.37 117.98 0 top
GND_VIA#1429  VAL**  [GND_VIA]  90.38 118.98 0 top
GND_VIA#1430  VAL**  [GND_VIA]  91.29 118.98 0 top
GND_VIA#1431  VAL**  [GND_VIA]  91.28 117.98 0 top
GND_VIA#1432  VAL**  [GND_VIA]  91.28 116.97 0 top
GND_VIA#1433  VAL**  [GND_VIA]  92.5 116.97 0 top
GND_VIA#1434  VAL**  [GND_VIA]  92.5 117.98 0 top
GND_VIA#1435  VAL**  [GND_VIA]  92.51 118.98 0 top
GND_VIA#1436  VAL**  [GND_VIA]  89.41 118.98 0 top
GND_VIA#1437  VAL**  [GND_VIA]  89.4 117.98 0 top
GND_VIA#1438  VAL**  [GND_VIA]  89.4 116.97 0 top
GND_VIA#1439  VAL**  [GND_VIA]  88.19 116.97 0 top
GND_VIA#1440  VAL**  [GND_VIA]  88.19 117.98 0 top
GND_VIA#1441  VAL**  [GND_VIA]  88.2 118.98 0 top
GND_VIA#1442  VAL**  [GND_VIA]  67.03 13.23 90 top
GND_VIA#1443  VAL**  [GND_VIA]  94.3 141.12 90 top
GND_VIA#1444  VAL**  [GND_VIA]  93.73 140.53 90 top
GND_VIA#1445  VAL**  [GND_VIA]  90.28 135.2 90 top
GND_VIA#1446  VAL**  [GND_VIA]  109.9 126.47 90 top
GND_VIA#1447  VAL**  [GND_VIA]  109.35 133.09 90 top
GND_VIA#1448  VAL**  [GND_VIA]  111.96 133.49 90 top
GND_VIA#1449  VAL**  [GND_VIA]  111.97 132.42 90 top
GND_VIA#1450  VAL**  [GND_VIA]  111.65 131.01 90 top
GND_VIA#1451  VAL**  [GND_VIA]  112.3 125.43 90 top
GND_VIA#1452  VAL**  [GND_VIA]  111.57 124.56 90 top
GND_VIA#1453  VAL**  [GND_VIA]  118.87 127.11 90 top
GND_VIA#1454  VAL**  [GND_VIA]  25.43 106.22 90 top
GND_VIA#1455  VAL**  [GND_VIA]  14.46 113.47 0 top
GND_VIA#1456  VAL**  [GND_VIA]  16.27 113.49 0 top
GND_VIA#1457  VAL**  [GND_VIA]  14.45 116.25 0 top
GND_VIA#1458  VAL**  [GND_VIA]  22.99 93.73 0 top
GND_VIA#1459  VAL**  [GND_VIA]  22.99 92.73 0 top
GND_VIA#1460  VAL**  [GND_VIA]  22.99 94.73 0 top
GND_VIA#1461  VAL**  [GND_VIA]  22.99 95.75 0 top
GND_VIA#1462  VAL**  [GND_VIA]  22.99 96.75 0 top
GND_VIA#1463  VAL**  [GND_VIA]  23 91.9 0 top
GND_VIA#1464  VAL**  [GND_VIA]  22.94 88.67 0 top
GND_VIA#1465  VAL**  [GND_VIA]  22.95 90.08 0 top
GND_VIA#1466  VAL**  [GND_VIA]  79.48 115.79 0 top
GND_VIA#1467  VAL**  [GND_VIA]  80.17 116.46 0 top
GND_VIA#1468  VAL**  [GND_VIA]  78.8 115.08 0 top
GND_VIA#1469  VAL**  [GND_VIA]  67.35 79.81 90 top
GND_VIA#1470  VAL**  [GND_VIA]  67.35 78.56 90 top
